# KiCad board Lime_RFE.kicad_pcb (continued)
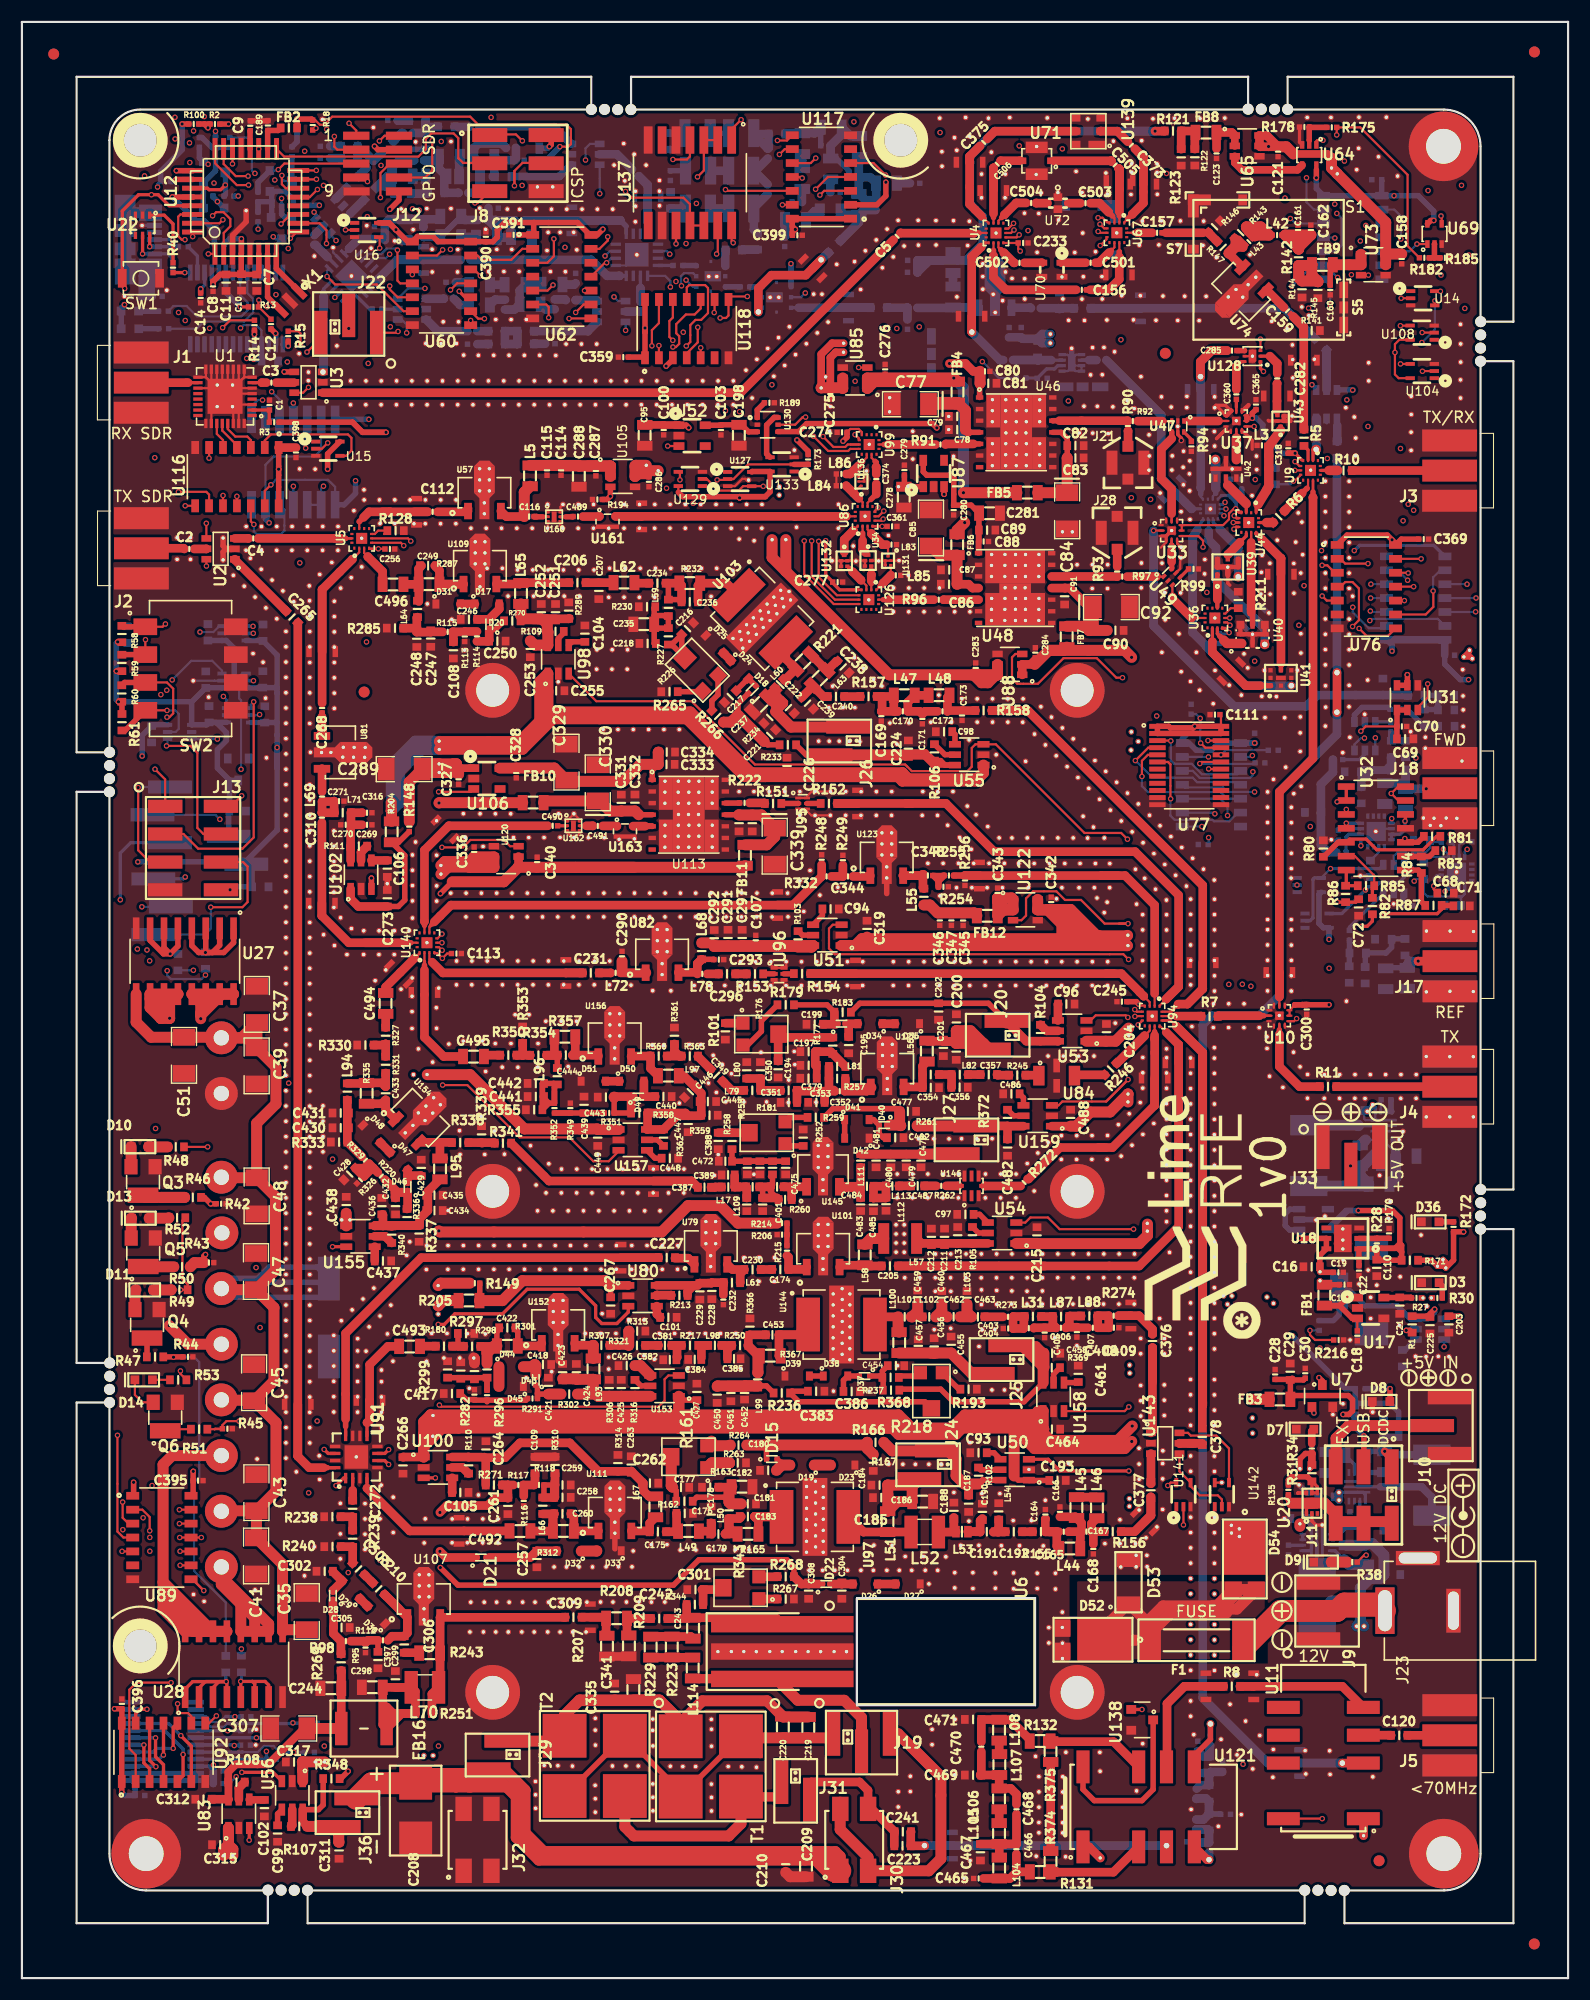
[diagram p0: board, top side]
## Routing (per net, layer and track width the routed paths; a pad name or vN(x,y) marks a point on that pad's centre or on a via; arc(x,y) is an arc through that point) (continued)
Net-(P50-Pad2): length 28.1
  T w0.2: U86.13 75.23,133.39
  T w0.79: 75.23,133.39 75.22,133.4 75.21,133.39 70.5,133.39 ; 70.5,133.39 74.31,133.39 ; 70.5,133.39 U161.2 P50.2
Net-(P59-Pad2): length 16.5
  T w0.2: 111.67,117.94 111.66,117.95
  T w0.3: 108.64,123.16 108.64,120.97
  T w0.5: 108.64,120.97 111.66,117.95 ; 112.99,117.94 113.94,117.94
  T w0.79: 111.66,117.95 108.63,120.98 108.63,121.95 108.64,121.95 ; 108.64,120.97 110.37,119.24 P59.2 ; 111.67,117.94 112.99,117.94
Net-(P74-Pad2): length 17.4
  T w0.4: 114.89,119.35 114.89,119.98 ; 114.89,129.56 113.15,131.31 112.63,131.83
  T w0.79: 114.89,129.56 113.15,131.31 ; 114.89,129.56 114.89,119.98 ; 114.89,129.56 114.89,129.57 P74.2
Net-(Q1-PadG): length 9.1
  B w0.5: R24.2 17.35,167.04 16.43,167.96 R22.2 ; R24.2 17.69,167.06 R23.2 ; R24.2 17.67,164.93 Q2.G 16.57,162.64 R21.2 16.55,162.62 Q1.G
Net-(Q3-Pad1): length 6
  T w1: 12.7,71.23 12.71,71.24 R46.1 11.25,71.24 Q3.1
Net-(Q4-Pad1): length 3.5
  T w0.2: R47.1 11.4,58.39
  T w0.5: 11.4,58.39 Q4.1 11.42,56.71 R47.1
Net-(Q5-Pad1): length 2.8
  T w1: Q5.1 11.1,64.91 R50.1
Net-(Q6-Pad1): length 2.4
  T w0.2: Q6.1 13.23,50.09 R51.1
Net-(Q7-PadG): length 7.7
  B w0.5: 22.8,162.2 22.8,162.88 Q8.G 24.04,163.05 24.77,162.32 R192.2 ; 22.8,162.2 22.8,162.1 R188.2 R191.2 ; 22.8,162.2 R187.2 22.8,160.73 Q7.G
Net-(R1-Pad1): length 1.5
  T w0.5: v1(126.33,59.11) 126.66,59.11 R1.1
  B w0.5: v1(126.33,59.11) 127.08,59.11 U110.5
Net-(R4-Pad2): length 2.1
  T w0.5: v1(14.06,164.13) 14.07,164.14 U12.26
  B w0.5: v1(14.06,164.13) 13.88,163.95 R4.2
Net-(R5-Pad1): length 1.4
  T w0.3: 117.37,138.54 117.37,139.44 R5.1
Net-(R6-Pad1): length 6.6
  T w0.2: R6.1 117.37,136.03 117.37,136.63
  T w0.5: 116.83,135.51 117.26,135.94 117.28,135.94
  T w0.79: 116.83,135.51 115.22,133.9 R6.1
  T w0.86: R6.1 115.22,133.9
Net-(R7-Pad1): length 12.4
  T w0.2: 109.11,87.66 109.26,87.82 110.01,87.82 ; 110.01,87.82 110.85,87.82 ; 110.01,87.82 109.19,87.82 ; 109.19,87.82 R7.1 ; 109.19,87.82 R7.1 ; 109.19,87.82 U10.2 ; 109.19,87.82 R7.1 ; 113.82,87.82 113.33,87.82
  T w0.5: 113.33,87.82 112.92,87.82
  T w0.79: R7.1 109.19,87.82 112.92,87.82
Net-(R9-Pad1): length 2.7
  T w0.2: v1(116.03,136.61) 116.13,136.61 116.64,137.11 116.64,137.19
  B w0.2: 114.42,136.32 115.77,136.32 116.07,136.62
Net-(R10-Pad2): length 1.5
  T w0.3: 118.55,137.59 119.28,137.59
  T w0.86: 119.28,137.59 120.07,137.59
Net-(R11-Pad2): length 13.9
  T w0.2: 116.59,81.35 114.75,83.19 114.75,86.13 ; 114.75,86.89 114.75,86.54 ; U10.5 U10.5
  T w0.5: 114.75,86.54 114.75,86.13
  T w0.79: 114.75,86.13 114.75,83.19 116.59,81.35 R11.2
Net-(R12-Pad1): length 5.4
  B w0.2: R133.2 125.36,75.31 124.51,76.17 U90.5 ; 125.36,73.01 R12.1
  B w1: R12.1 125.36,73.01 R133.2
Net-(R14-Pad2): length 15.9
  T w0.2: v1(18.34,160.46) 18.02,160.14 U12.31 ; v1(18.32,150.61) 18.99,151.28 R14.2
  SIG1 w0.2: v1(18.34,160.46) 18.32,160.43 v1(18.32,150.61)
Net-(R15-Pad2): length 25.3
  T w0.2: v1(25.42,149.03) 25.42,150.08 25.22,150.28 R15.2 ; v1(14.88,158.64) 14.58,158.64 14.26,158.96 14.26,160.74 14.47,160.94 U12.30
  SIG1 w0.2: v1(24.31,157.84) 25.42,156.72 v1(25.42,149.03)
  SIG2 w0.2: v1(14.88,158.64) 15.27,158.24 17.17,158.24 17.58,157.84 v1(24.31,157.84)
Net-(R16-Pad1): length 12.2
  B w0.2: U13.23 20.57,153.78 21.1,153.24 21.1,152 20.28,151.17 16.62,151.17 15.96,150.51 R16.1
Net-(R17-Pad1): length 11.8
  B w0.2: R17.1 13.83,152.59 15.02,152.59 15.97,151.64 20.02,151.64 20.59,152.21 20.59,152.92 19.92,153.59 U13.22
Net-(R25-Pad1): length 3.7
  B w0.3: R26.2 120.48,48.01 R25.1 121.6,46.88 U19.5
Net-(R29-Pad1): length 1.8
  B w0.3: 124.33,46.13 R29.1 ; U19.7 123.13,46.13
  B w0.5: R29.1 124.33,46.13 123.13,46.13
Net-(R32-Pad1): length 3.8
  B w0.3: R32.1 120.87,41.11 119.76,40 U21.5
  B w1: R33.2 122.2,41.4 R32.1
Net-(R36-Pad1): length 5.4
  B w0.3: 120.65,38.18 119.83,39 U21.7 ; 121.08,37.74 R36.1
  B w1: R36.1 121.08,37.74 120.65,38.18
Net-(R54-Pad1): length 12.7
  T w0.5: v1(16.75,93.59) 16.78,93.62 U27.3 ; v1(16.75,93.59) 17.39,93.59 18.05,94.25 U27.2 ; v1(16.75,93.59) 18.41,93.59 19.32,94.49 U27.1 ; v1(16.75,93.59) 16.13,93.59 15.51,94.22 U27.4
Net-(R55-Pad1): length 10.3
  T w0.2: 14.24,94.17 v1(13.53,93.47)
  T w0.5: v1(13.53,93.47) 12.97,94.03 U27.6 ; v1(13.53,93.47) 14.24,94.17 U27.5 ; v1(13.53,93.47) 12.92,93.47 11.7,94.69 U27.7
  B w0.2: R55.1 14.23,93.47 v1(13.53,93.47)
Net-(R56-Pad1): length 12.9
  T w0.3: v1(18.65,27.06) 18.71,27 U28.4 ; v1(18.65,27.06) 17.98,27.06 17.44,26.51 U28.3 ; v1(18.65,27.06) 16.74,27.06 16.17,26.49 U28.2 ; v1(18.65,27.06) 15.58,27.06 14.9,26.37 U28.1
  B w0.3: v1(18.65,27.06) 18.6,27.1 R56.1
Net-(R57-Pad1): length 7.6
  T w0.3: U28.5 19.98,27.06 v1(19.96,27.07) 21.03,27.07 ; 21.03,27.07 22.19,27.07 22.52,26.74 U28.7 ; 21.03,27.07 21.25,26.85 U28.6
  B w0.3: v1(19.96,27.07) 20.03,27.14 R57.1
Net-(R80-Pad2): length 12.3
  T w0.3: U32.5 121.15,103.94 122.66,103.94 123.64,102.97 127.87,102.97 129.1,104.19 R81.1
  T w0.5: R80.2 118.8,102.33 120.12,103.65 U32.5
Net-(R81-Pad2): length 10.7
  T w0.2: v1(126.2,103.99) 126.26,103.93 U32.10 ; U32.13 125.6,107.46 v1(124.96,108.1) 125.58,108.73 U32.14
  T w0.5: R81.2 127.4,103.65 U32.10
  SIG1 w0.2: v1(124.96,108.1) 124.52,107.67 124.52,105.13 125.67,103.99 v1(126.2,103.99)
Net-(R82-Pad1): length 5.4
  T w0.2: R85.2 123.4,100.62 121.64,102.38 U32.6
  T w0.3: R85.2 123.24,99.52 R82.1
Net-(R82-Pad2): length 16.2
  T w0.3: v1(122.26,95.98) 122.77,95.98 123.24,96.45 R82.2 ; v1(120.02,107.34) 120.14,107.46 U32.2 U32.1
  SIG1 w0.3: v1(120.02,107.34) 120.02,105.23 121.58,103.67 121.58,99.45 122.26,98.77 v1(122.26,95.98)
Net-(R83-Pad2): length 3
  T w0.5: U32.9 126.28,102.35 R84.1 128.45,102.35 R83.2
Net-(R84-Pad2): length 4.7
  T w0.5: U32.8 127.45,101.11 R84.2 127.7,98.24 R87.2
Net-(R85-Pad1): length 2.6
  T w0.3: R85.1 120.8,99.69 R86.2 120.86,99.74 U32.7
Net-(R88-Pad2): length 3.8
  B w0.3: R89.2 92.64,146.01 R88.2 92.66,146 93.5,146.84 94.23,146.84 94.53,147.15 U45.6
Net-(R90-Pad2): length 6.9
  T w0.5: 94.69,142.12 94.69,142.08 94.65,142.12 U46.12 94.07,142.12
  T w0.79: R92.1 100.89,142.12 94.69,142.12
Net-(R91-Pad1): length 3.1
  T w0.5: U46.5 86.83,140
  T w0.79: 86.83,140 84.32,140 R91.1
Net-(R92-Pad2): length 3.1
  T w0.2: U47.3 104.92,142.08 104.06,142.08
  T w0.3: 104.91,142.08 U47.3
  T w0.79: R92.2 104.06,142.08
Net-(R93-Pad2): length 6
  T w0.79: R97.1 99.95,127.91 U48.12
Net-(R94-Pad1): length 1.2
  T w0.2: 106.02,141.08 U47.6
  T w0.3: U47.6 106.72,140.41 R94.1
Net-(R96-Pad1): length 3.2
  T w0.79: U48.5 84.12,125.79 R96.1
Net-(R97-Pad2): length 3.4
  T w0.2: U49.1 104.2,127.9 103.51,127.9
  T w0.79: 103.51,127.9 103.51,127.93 103.48,127.9 R97.2
Net-(R99-Pad1): length 1.1
  T w0.3: R99.1 105.7,127.84 U49.4
Net-(R101-Pad2): length 1.6
  T w0.79: R101.2 R176.1
Net-(R102-Pad2): length 3.8
  T w0.5: 87.5,46.39 R102.2 87.5,46.39 ; 87.5,46.39 88.9,46.39 ; 87.5,46.39 U50.5
Net-(R103-Pad2): length 1.6
  T w0.5: 70.82,95.58 71.23,95.17 U51.5
Net-(R104-Pad2): length 1.8
  T w0.79: R104.2 93.5,86.44 U53.5
Net-(R105-Pad2): length 1.6
  T w0.5: R105.2 87.3,67.99 U54.5
Net-(R106-Pad2): length 2.3
  T w0.5: R106.2 84.23,111.64 U55.5
Net-(R107-Pad2): length 1.6
  T w0.79: R107.2 24.67,13.95 U56.5
Net-(R108-Pad2): length 1.8
  T w0.79: R108.2 19.8,17.35 U83.5
Net-(R109-Pad2): length 1.3
  T w0.5: 49.45,122.74 48.95,122.24 U98.5
Net-(R110-Pad2): length 1.7
  T w0.79: R110.2 40.2,46.6 U100.5
Net-(R111-Pad2): length 1.5
  T w0.79: R111.2 30.95,102.74 U102.5
Net-(R128-Pad2): length 1.9
  T w0.2: 31.96,131.78 32.2,131.78 32.5,132.09 R128.2 33.05,131.78
Net-(R130-Pad1): length 1.1
  B w0.5: U63.3 67.54,154.33 R130.1
Net-(R130-Pad2): length 1.4
  B w0.5: U61.3 64.21,154.33 R130.2
Net-(R134-Pad1): length 1.6
  B w0.2: U90.7 122.61,76.49
  B w1: R134.1 122.61,76.49
Net-(R135-Pad1): length 5.7
  T w0.3: 118.22,44.83 R31.2 117.72,44.28 118.22,44.28 118.22,44.83
  T w0.5: R31.2 117.31,45.74 115.85,45.74 115.57,45.46 R135.1
Net-(R140-Pad1): length 198.9
  T w0.2: v1(108.23,112.93) 108.23,112.93 U77.22
  SIG1 w0.2: v1(108.23,112.93) 110.45,112.93 110.8,112.58 110.8,85.83 111.46,85.17 111.46,48.87 112.08,48.26 112.08,26.2 110.88,25.01 110.88,22.51 111.44,21.96 v1(111.44,19.52)
  SIG2 w0.2: v1(111.44,19.52) 108.9,19.52 108.68,19.74 91.43,19.74 90.76,20.41 46.84,20.41 45.83,19.4 29.01,19.4 28.68,19.08 22.86,19.08 22.49,19.45 v1(17.48,19.45)
  B w0.3: 17.49,18.87 R140.1 17.04,19.33 U78.22 17.36,19.33 v1(17.48,19.45) 17.46,19.43 17.46,18.46
  B w0.7: R140.1 R168.2
Net-(R151-Pad1): length 1.6
  T w0.5: R151.1 U95.2
Net-(R152-Pad2): length 1.3
  T w0.5: U95.5 R152.2
Net-(R153-Pad1): length 1
  T w0.5: R153.1 67.65,91.64 U96.2
Net-(R154-Pad2): length 0.9
  T w0.5: R154.2 70.43,91.64 U96.5
Net-(R161-Pad1): length 3.8
  T w1: R161.1 62.94,47.02 R263.2 64.57,47.01 63,47.01
Net-(R161-Pad3): length 2.8
  T w1: 62.92,49 R161.3 64.58,48.58 R264.1
Net-(R170-Pad2): length 2.7
  T w0.5: R170.2 123.66,67.51 R28.1 123.63,67.5 U18.2
Net-(R175-Pad2): length 3.3
  T w0.3: U64.2 117.48,167.73
  T w0.5: R178.1 117.51,168.89 R175.2 ; R178.1 117.48,168.91 ; R178.1 117.48,168.91 ; 117.48,168.91 117.48,167.71
Net-(R176-Pad3): length 5.2
  T w0.5: R179.2 67.48,87.34 67.48,86.39 66.23,85.14 R176.3
Net-(R180-Pad1): length 2.2
  T w0.5: 39.8,57.67 39.8,58.74
  T w0.79: R298.2 40.31,57.67 R180.1
Net-(R182-Pad2): length 2.3
  T w0.5: 129.42,156.96 129.41,156.97 128.9,156.97 ; 128.9,156.97 128.43,156.97 ; 128.9,156.97 128.9,158.23 U69.2
Net-(R189-Pad1): length 1.6
  T w0.5: R189.1 67.1,143.1 U130.1
Net-(R193-Pad1): length 2.3
  T w0.5: R218.1 85.5,53.74 R193.1
Net-(R206-Pad1): length 2.1
  T w0.5: R214.1 R206.1 69.81,67.84 R215.2
Net-(R211-Pad2): length 1.4
  T w0.2: R211.2 110.31,125.01 109.82,124.52
Net-(R213-Pad2): length 1.5
  T w0.79: 57.96,62.3 57.94,62.32 U80.5 58,62.32 59.25,62.32 R213.2
Net-(R218-Pad3): length 2
  T w0.5: 80.1,54.94 81.7,54.94 R218.3
Net-(R222-Pad1): length 1.3
  T w0.5: R222.1 65.48,107.22 U113.12
Net-(R226-Pad1): length 2.3
  T w0.5: R226.1 62.04,117.39 R265.2
Net-(R226-Pad3): length 3.4
  T w0.5: R226.3 63.53,117.12 62.97,116.56 R266.1
Net-(R245-Pad1): length 1.2
  T w0.79: U84.1 92.76,82.4 R245.1
Net-(R246-Pad2): length 2.8
  T w0.79: U84.3 96.13,82.43 R246.2
Net-(R252-Pad2): length 1.7
  T w0.5: R253.1 69.85,75.94 R252.2
Net-(R253-Pad3): length 2.2
  T w0.5: R253.3 70.05,78.54 R259.2
Net-(R262-Pad1): length 1.1
  T w0.79: R262.1 U146.8
Net-(R267-Pad2): length 1.7
  T w0.79: R343.1 67.29,34.59 R267.2
Net-(R268-Pad1): length 1.7
  T w0.79: R268.1 68.94,36.62 R343.3
Net-(R272-Pad2): length 3.3
  T w0.79: R272.2 87.87,72.28 U146.4
Net-(R307-Pad1): length 3.1
  T w0.79: R321.2 53.63,57.74 R307.1
  T w1: R313.2 55.38,59.02 R321.2
Net-(R316-Pad2): length 1.6
  T w0.5: R316.2 56.5,54.04 U153.5
Net-(R327-Pad1): length 2.4
  T w0.79: R327.1 33.1,85.14 R330.2 ; R327.1 R331.2 ; R327.1 33.15,85.19
Net-(R338-Pad1): length 2.5
  T w0.79: 42,76.19 R339.2 ; R339.2 R338.1 ; R339.2 43.1,76.24 R341.2
Net-(R340-Pad2): length 1.8
  T w0.79: R340.2 33.15,67.69 U155.5
Net-(R350-Pad1): length 2.8
  T w0.79: R350.1 45.15,84.21 45.7,84.21 ; 46.32,84.21 R354.2 45.7,84.21 ; 45.7,84.21 45.7,84.39 45.7,84.21 ; 45.7,84.21 R353.2
Net-(R360-Pad1): length 3
  T w0.79: 60.04,84.14 R363.2 ; R363.2 60,84.14 59.55,84.59 R361.2 ; R363.2 R360.1
Net-(R362-Pad2): length 1.7
  T w0.5: R362.2 58,76.49 U157.5
Net-(R369-Pad2): length 1.6
  T w0.5: R369.2 94.15,55.12 U158.5
Net-(R372-Pad2): length 1.7
  T w0.5: R372.2 90.5,78.69 U159.5
Net-(R374-Pad1): length 8.1
  T w0.79: R374.1 R375.2
Net-(U11-Pad12): length 45.9
  T w0.2: U11.12 115.12,14.55 v1(118.66,14.55)
  T w0.5: v1(118.37,54.79) 118.67,54.49 U7.1
  SIG1 w0.2: v1(118.66,14.55) 118.67,14.55 118.67,40.36 119.3,41 119.3,50.07 120.1,50.88 120.1,51.84 118.37,53.58 v1(118.37,54.79)
Net-(U12-Pad7): length 5.6
  T w0.5: U12.7 22.42,153.41 X1.3
Net-(U12-Pad8): length 4.3
  T w0.5: U12.8 23.22,156 X1.1
Net-(U34-Pad1): length 3.7
  T w0.2: 76.99,130.08 U34.1 77.22,129.88 ; 76.72,131.17 76.72,130.36 ; 76.69,132.47 U86.2 76.72,131.85
  T w0.5: 76.72,131.17 76.72,131.85
  T w0.79: 76.72,131.17 76.72,130.36 76.99,130.08
Net-(U36-Pad3): length 4.5
  T w0.3: 109.09,123.16 109.09,122.68 109.97,121.8
  T w0.5: 109.97,121.8 109.3,122.47
  T w0.86: 111.31,121.8 109.97,121.8 109.66,122.11
Net-(U36-Pad9): length 3
  T w0.4: 109.09,125.12 109.09,125.81 ; 109.09,127.46 109.09,128.07 U39.1
  T w0.79: 109.09,125.81 109.09,127.46
Net-(U37-Pad5): length 2.9
  T w0.2: 110.82,140.73 110.81,140.73 110.82,140.74 110.82,141.17 ; U37.5 U37.5
  T w0.3: 110.82,140.73 110.82,140.54
  T w0.86: 110.82,140.54 U42.1
Net-(U39-Pad6): length 3.1
  T w0.3: 111.73,131.83 111.73,131.6 111.14,131.02 ; 110.04,129.92 U39.6
  T w0.79: 110.04,129.92 110.05,129.92 111.14,131.01 111.14,131.02
Net-(U40-Pad6): length 12.2
  T w0.2: U40.6 112.3,124.49 112.17,124.62 112.21,123.56 ; U44.10 112.18,131.01 112.17,131.01 112.17,131.77
  T w0.3: 112.3,124.49 112.17,124.62 112.3,124.49
  T w0.5: U40.6 112.3,124.82 112.17,124.95
  T w0.79: 112.17,131.01 112.17,124.62
Net-(U60-Pad13): length 6.6
  T w0.2: 46.38,158.03 U62.2 45.66,157.8 44.66,156.8 41.96,156.8 41.57,157.19 U60.13
Net-(U113-Pad5): length 2.9
  T w0.5: U113.5 57.21,105.12 57.22,105.1 56.98,105.1 56.98,105.12 57,105.1 U113.5 ; U113.5 57.5,105.12 56.87,105.12
  T w0.79: U163.2 56.87,105.12
Net-(U121-Pad12): length 15.6
  T w0.5: U138.1 103.23,17.21 102.21,16.19 97.86,16.19 96.83,17.22 U121.12
Net-(U126-Pad2): length 2.2
  T w0.2: 77.51,128.85 77.51,128.86 77.51,128.49 ; U126.2 77.51,126.69 77.51,127.25
  T w0.5: 77.51,128.07 77.51,128.49 ; 77.51,127.25 77.51,127.49
  T w0.79: 77.51,128.07 77.52,128.07 77.51,128.06 77.51,127.49
Net-(U126-Pad3): length 2.9
  T w0.2: 75.53,128.61 75.33,128.81 75.33,128.84 ; U126.3 77.06,127.08 76.7,127.44
  T w0.5: 76.57,127.57 76.7,127.44 ; 75.53,128.61 75.81,128.32
  T w0.79: 75.81,128.32 75.81,128.33 76.57,127.58 76.57,127.57
Net-(U130-Pad6): length 4.4
  T w0.5: U133.4 67.96,139.09 67.96,141.72 68.66,142.42 68.98,142.42
Net-(U132-Pad1): length 4.4
  T w0.2: 75.04,130.14 U132.1 ; 75.04,131.27 U86.1
  T w0.79: 75.87,132.1 75.87,132.08 75.85,132.08 75.04,131.27 75.04,130.14

## Copper pours and planes (outline as drawn; the poured copper is in the pictures)
+2.5V on SIG2: 75.23,122.11 132.05,122.11 133.1,121.07 133.1,118.07 132,116.98 106.68,116.98 105.71,117.94 30.48,117.94 29.62,118.81 29.62,122.38 30.84,123.6 73.75,123.6
+2.5V on PWR: 30.61,137.5 30.61,130.43 31.75,129.29 31.75,121.3 31.08,120.62 29.49,120.62 27.62,122.49 27.62,134.45 26.33,135.75 13.33,135.75 11.05,133.46 9.14,133.46 8.34,134.26 8.34,136.44 12.95,141.05 27.06,141.05
+2.5V on PWR: 133.08,66.31 133.1,66.31 133.1,63.02 131.77,64.35 129.1,64.35 128.44,65.01 128.44,66.07 129.81,67.44 129.81,157.17 133.08,157.17
+3V on SIG1: 114.92,143.99 114.92,117.09 115.99,116.03 115.99,95.52 116.88,94.63 119.08,94.63 120.02,93.69 120.02,91.29 118.9,90.17 111.16,90.17 109.04,92.29 109.04,143.37 111.44,145.77 113.14,145.77
+3V on SIG2: 129.79,63.52 129.79,59.83 108.39,59.83 108.39,63.52
+3V on SIG2: 119.56,90.75 118.96,90.16 38.47,90.16 37.31,91.31 37.31,93.68 38.47,94.83 118.78,94.83 119.55,94.07 119.55,93.5
+3V on SIG2: 96.9,143.65 121.2,143.65 123.19,141.66 123.19,138.99 122.11,137.91 86.77,137.91 85.2,139.47 31.62,139.47 30.4,140.69 30.4,142.04 31.81,143.45 73.66,143.45 74.73,144.51 83.88,144.51 85.19,145.82 94.73,145.82
+3V on PWR: 113.35,60.92 113.35,81.72 118.49,86.87 118.49,96.82 119.04,97.37 120.15,97.37 120.7,96.82 120.7,85.84 115.58,80.72 115.58,61.18 114.88,60.48 113.68,60.48 113.68,60.5
+3V on PWR: 34.9,142.62 34.9,136.61 36.45,135.06 36.45,109.17 38.81,106.81 38.81,92.74 37.83,91.76 36.36,91.76 35.27,92.85 35.27,105.07 32.05,108.28 32.05,131 31.23,131.83 31.23,140.26 30.49,141 30.49,142.72 31.1,143.33 34.19,143.33
+5V on SIG2: 119.03,45.3 119.03,53.73 115.14,57.61 100.09,57.61 100.09,54.14 112.32,54.14 114.95,51.52 114.95,45.3
+5V on PWR: 79.93,133.54 81.45,132.02 95.79,132.02 98.58,129.23 98.58,111.1 99.88,109.81 99.88,106.95 102.09,104.74 102.09,99.77 103.81,98.05 103.81,93.45 103.81,93.45 101.88,91.52 99.94,91.52 94.77,86.35 94.77,63.2 100.63,57.33 100.63,51.65 99.99,51 44.86,51 42.48,53.38 42.48,91.18 39.8,91.18 39.8,107.17 37.48,109.49 37.48,135.09 35.89,136.68 35.89,138.5 35.89,138.51 35.89,142 79.93,142
+5V on PWR: 129.84,60.13 129.84,58.11 121.4,49.67 121.4,46.61 119.89,45.1 116.09,45.1 115.9,45.3 115.9,67.59 117.22,68.91 121.05,68.91
+7.5V on SIG1: 103.81,82.05 106.3,79.57 106.3,48.91 105,47.61 101.02,47.61 100.14,48.49 100.14,75.56 97.4,78.31 97.4,80.94 98.51,82.05
+7.5V on SIG2: 113.18,50.79 113.18,47.74 112.46,47.02 100.58,47.02 100.12,47.48 100.12,51.36 100.55,51.79 112.18,51.79
+7.5V on SIG2: 93.57,116.5 95.2,114.87 97.37,114.87 98.86,116.36 98.86,117.17 101.84,117.17 103.54,115.47 103.54,111.66 99.67,107.78 37.25,107.78 34.96,110.07 34.96,115.89 36.25,117.17 40.4,117.17 40.4,116.32 41.8,114.92 44.39,114.92 45.53,116.07 45.53,117.17 93.57,117.17
+7.5V on PWR: 111.39,51.93 111.39,32.79 113.36,30.83 122.81,30.83 123.42,31.44 123.42,33.46 122.75,34.13 115.28,34.13 114.17,35.25 114.17,51.93 113.48,52.61 112.07,52.61
+7.5V on PWR: 106.12,113.9 106.12,108.61 110.87,103.86 110.87,92.59 105.6,87.31 105.6,86.44 104.28,85.12 104.28,79.17 103.54,78.44 102.55,78.44 101.7,79.29 101.7,87.59 104.58,90.47 104.58,98.12 102.73,99.97 102.73,105.02 100.95,106.79 100.95,109.9 99.77,111.08 99.77,113.71 101.5,115.43 104.59,115.43
+12V on SIG2: 121.05,43.93 121.05,42.4 114.6,42.4 112.23,40.03 109.74,40.03 107.38,42.4 100.1,42.4 100.1,44.92 121.05,44.92
+12V on PWR: 103.5,89.97 101.43,87.9 101.43,78.83 104.4,75.85 104.4,19.33 100.56,15.49 80.99,15.49 80.99,8 18.55,8 16.34,10.21 16.34,12.86 17.89,14.41 35.37,14.41 35.37,18.63 27.56,18.63 27.13,19.06 27.13,21.05 28.45,22.37 31.44,22.37 31.44,81.75 31.45,81.76 31.45,90.11 41.46,90.11 41.46,50.6 40.54,49.69 40.54,26.22 44.88,21.87 94.12,21.87 96.79,24.54 96.79,49.6 97.69,50.5 100.35,50.5 101.22,51.38 101.22,53.89 101.72,54.39 101.72,57.89 95.85,63.76 95.85,86.82 99.98,90.95 102.52,90.95
GND on T: 133.11,167.94 133.11,10.66 130.45,7.99 11.37,7.99 7.98,11.39 7.98,168.11 10.39,170.52 130.53,170.52 ; 1 cut-out
GND on B: 127.37,170.51 130.56,170.51 133.11,167.97 133.11,11.09 130.02,7.99 10.79,7.99 7.98,10.8 7.98,168.25 10.26,170.53 127.37,170.53
GND on GND: 128,170.5 130.54,170.5 133.11,167.93 133.11,11.15 129.95,7.99 10.56,7.99 7.98,10.57 7.98,168.23 10.26,170.51 128,170.51
GND on SIG1: 133.06,167.96 133.06,167.53 133.1,167.49 133.1,10.99 130.15,8.04 11.08,8.04 9.4,9.72 7.98,11.6 7.98,167.96 10.52,170.5 130.52,170.5 ; 2 cut-outs
GND on SIG2: 133.1,167.54 133.1,125.87 29.51,125.87 27.5,123.87 27.5,117.72 29.01,116.21 33.65,116.21 33.65,109.73 36.45,106.92 101.5,106.92 109.12,114.54 133.1,114.54 133.1,65.92 133.12,65.92 133.12,10.8 130.32,7.99 11.29,7.99 8,11.28 8,167.63 10.73,170.54 130.1,170.54 ; 3 cut-outs
GND on PWR: 81.98,170.51 81.98,156.16 115.83,156.16 122.65,149.35 122.65,124.13 126.08,120.71 129.28,120.71 129.28,115.52 124.58,110.82 120.17,110.82 117.12,107.77 117.12,87.52 110.91,81.31 110.91,31.73 113.57,29.07 133.09,29.07 133.09,10.81 130.27,7.99 110.46,7.99 110.46,7.99 81.42,7.99 81.42,15.07 100.94,15.07 104.89,19.02 104.89,77.92 104.9,78 104.9,84.65 107.68,87.43 107.68,87.39 112.29,91.99 112.29,112.32 100.88,123.73 100.88,133.62 81.86,133.62 81.86,143.7 23.24,143.7 23.24,170.53
GND on PWR: 95.79,49.65 95.79,25.34 93.42,22.98 45.23,22.98 41.58,26.62 41.58,48.59 43.49,50.5 94.94,50.5
GND on PWR: 7.97,15.66 25.38,15.66 25.38,21.05 27.78,23.45 30.29,23.45 30.29,118.95 29.01,118.95 26.19,121.77 26.19,133.57 25.15,134.61 13.58,134.61 10.76,131.79 10.76,38.54 15.43,33.86 15.43,25.61 13.41,23.59 7.98,23.59 7.98,23.49
GND on PWR: 133.09,167.34 133.09,167.33 133.11,167.3 133.11,157.98 129.11,157.98 129.11,121.86 126.34,121.86 123.6,124.6 123.6,150.09 116.67,157.03 82.73,157.03 82.73,170.48 129.95,170.48
/PowerSupply/+12EXT on T: 113.41,29.1 96.29,29.1 96.29,36.21 113.41,36.21

## Text on the board
F.SilkS: 1v0
